# Altium PCB Bran_Main_Assay_PCB_v2_20170828.pcbdoc (part 3 of 5) (continued)
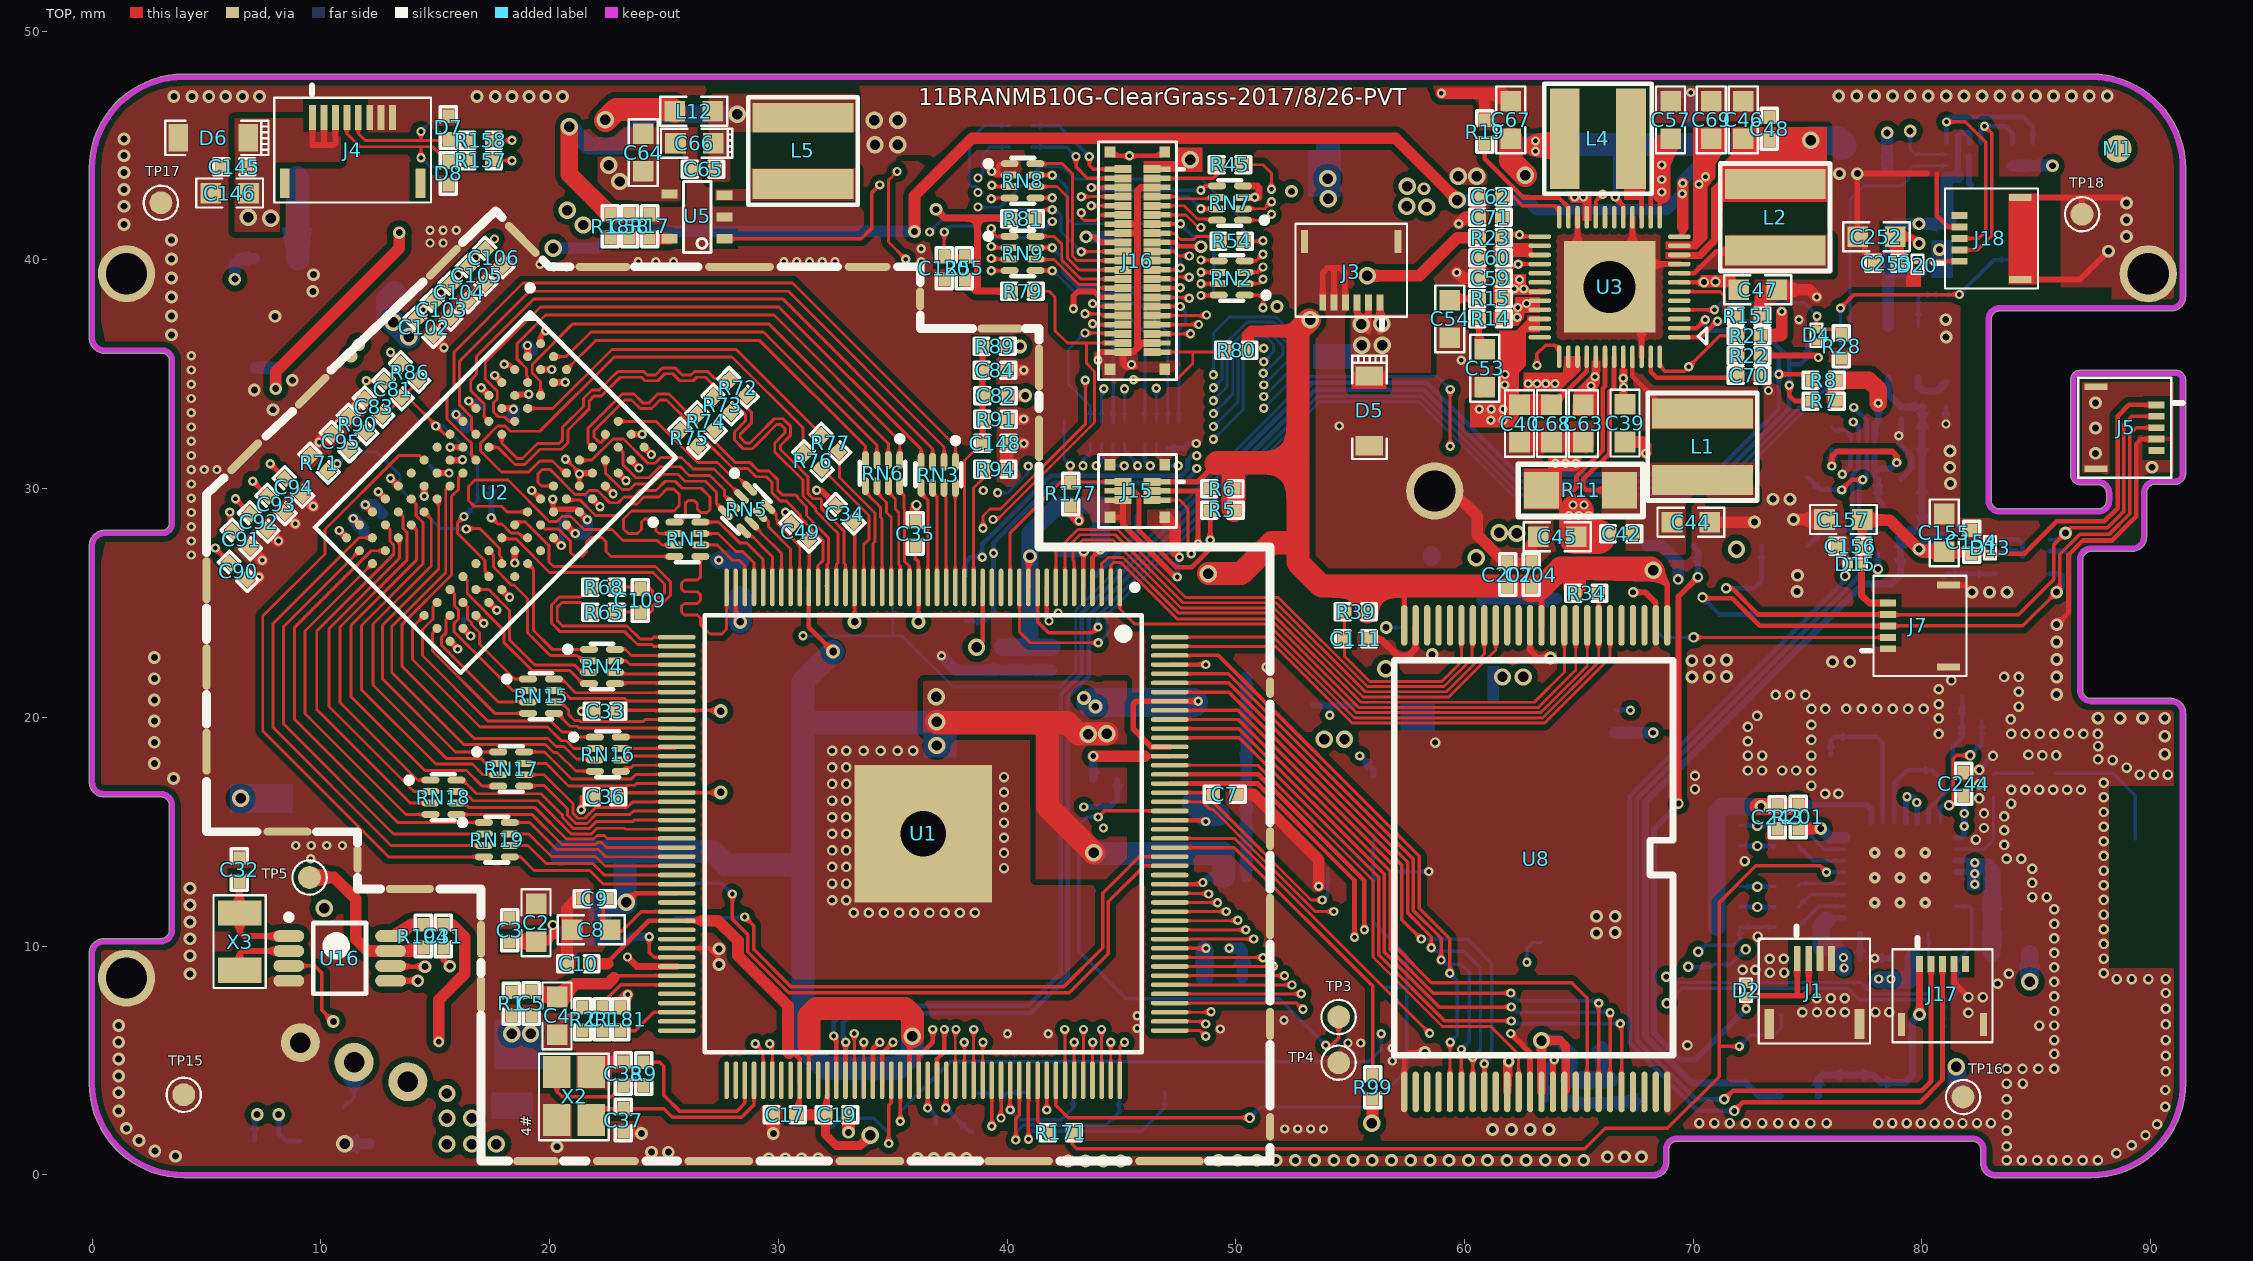
[diagram p0: TOP view]
## Nets (pads, with @x,y where several pads share a name; then routed paths per layer and width w, separated by ;. In a path a pad name is that pad's centre, name@x,y a point inside that pad or via, vN(x,y) a via of type N, cw(c..) or ccw(c..) an arc to the next point about the centre after c; other vN are vias at no path point) (continued)
  TOP w0.889: C40.2@62.406,33.676 C68.1@63.803,33.676
  TOP w1.016: C67.1@62.025,45.297 62.025,44.344 v4(62.66,43.709)
  POWER w1.016: v4@59.753,43.645 59.764,43.656 v4(60.541,43.656) 63.995,43.656 v1@64.895,42.756
  POWER w2.032: 11.29,36.239 11.29,42.157 12.154,43.021 18.898,43.021 20.016,44.139 v4(22.593,44.139) 31.991,44.139 33.42,45.568 35.344,45.568 ; 60.896,34.014 60.896,31.14 62.064,29.972 62.064,28.041 62.064,21.742
  BOTTOM w0.762: L19.2@58.572,27 L19.2@58.572,27.114
  other v1: 61.154,32.994 61.688,32.994 60.646,33.477 61.167,33.477 61.688,33.477 66.957,34.424 61.76,34.537 64.819,42.756 65.2,42.756
  other v4: 61.662,21.768 62.577,21.768 62.281,28.041 61.519,28.067 23.065,43.431 59.728,43.656 34.226,45.034 35.217,45.034 34.201,46.101 35.217,46.101
  other v7: 11.319,35.788 11.65,36.296
JTAG_CLK: TP89.1 U1.113 | length 2.8
  TOP w0.203: v1@37.335,2.943 U1.113@37.335,4.133
  BOTTOM w0.203: v1(37.313,2.921) 38.356,1.877 TP89.1@38.5,1.877
JTAG_DO: TP85.1 U1.111 | length 2
  TOP w0.203: v1@36.535,2.931 U1.111@36.535,4.133
  BOTTOM w0.203: v1(36.525,2.921) 36.881,2.565 36.881,2.258
LCD-CLK: R54.2 U1.129 | length 58.9
  TOP w0.127: U1.129@43.735,4.133 v1@43.735,5.788 ; R54.2@50.322,40.811 v1@51.219,40.811
  Singal w0.127: v1(38.726,42.316) 38.497,42.088 38.497,32.825 40.897,30.425 43.241,30.425 45.448,28.218 45.448,8.653 43.746,6.951 v1(43.746,5.799)
  BOTTOM w0.127: v1(38.726,42.316) 38.739,42.304 39.679,42.304 41.453,44.078 42.447,44.078 42.986,43.538 48.505,43.538 50.225,41.818 50.225,41.43 50.819,40.837 v1(51.194,40.837) v1@51.244,40.837
LCD-D2: RN7.2 U1.148 | length 34.8
  TOP w0.127: U1.148@47.11,12.308 v1@48.785,12.308 ; RN7.2@50.31,42.238 51.255,42.238 v1(51.562,42.545)
  Singal w0.127: v1(48.817,12.276) 49.606,13.065 49.606,41.249 50.394,42.037 51.054,42.037 v1(51.562,42.545)
LCD-D3: RN7.1 U1.147 | length 35
  TOP w0.127: U1.147@47.11,11.908 48.664,11.908 ; 48.664,11.908 v1@49.185,11.908 ; RN7.1@50.31,41.738 51.301,41.738 v1(51.562,41.999)
  Singal w0.127: v1(49.198,11.895) 49.873,12.57 49.873,41.192 50.381,41.7 51.264,41.7 v1(51.562,41.999)
LCD-D4: RN2.4 U1.146 | length 33.1
  TOP w0.127: U1.146@47.11,11.508 v1@49.573,11.508 ; RN2.4@50.387,39.961 50.902,39.961 v1(51.194,40.252)
  Singal w0.127: v1(49.579,11.514) 50.101,12.036 50.101,39.719 50.635,40.252 v1(51.194,40.252)
LCD-D5: RN2.3 U1.145 | length 33.2
  TOP w0.127: U1.145@47.11,11.108 v1@50.062,11.108 ; RN2.3@50.416,39.49 RN2.3@50.387,39.461 50.961,39.461 v1(51.194,39.694)
  Singal w0.127: v1(50.087,11.133) 50.33,11.376 50.33,39.262 50.762,39.694 v1(51.194,39.694)
LCD-D6: RN2.2 U1.144 | length 33.1
  TOP w0.127: U1.144@47.11,10.708 v1@50.424,10.708 ; RN2.2@50.387,38.961 50.994,38.961 v1(51.194,39.16)
  Singal w0.127: v1(50.432,10.712) 50.584,10.865 50.584,38.862 50.882,39.16 v1(51.194,39.16)
LCD-D7: RN2.1 U1.143 | length 32.7
  TOP w0.127: U1.143@47.11,10.308 v1(50.786,10.308) ; RN2.1@50.387,38.461 51.004,38.461 51.194,38.271 v1(51.194,37.916)
  Singal w0.127: v1(50.786,10.308) 50.813,10.335 50.813,37.535 v1(51.194,37.916)
LCD-D10: RN8.3 U1.141 | length 57.8
  TOP w0.127: v1(39.331,43.269) 39.391,43.209 RN8.3@40.113,43.209 ; U1.141@47.11,9.508 51.176,9.508 v1(51.189,9.495)
  Singal w0.127: v1(39.331,43.269) 39.522,43.078 40.551,43.078 41.084,42.545 41.084,38.974 43.04,37.018 43.04,33.852 43.345,33.547 47.161,33.547 48.336,34.722 48.768,34.722 v1(49.022,34.976) ; v1(51.189,9.495) 52.108,10.415 52.108,22.835 51.219,23.724 v1(51.219,33.521)
  BOTTOM w0.127: v1(49.022,34.976) 49.022,36.804 49.727,37.509 51.752,37.509 52.743,36.519 52.743,35.033 51.232,33.521 v1(51.219,33.521)
LCD-D11: RN8.4 U1.140 | length 57.8
  TOP w0.127: v1@39.331,42.672 39.369,42.709 RN8.4@40.113,42.709 ; U1.140@47.11,9.108 51.639,9.108 v1(51.646,9.114)
  Singal w0.127: v1@39.331,42.672 40.525,42.672 40.855,42.342 40.855,38.879 42.811,36.923 42.811,33.63 43.123,33.318 47.256,33.318 48.35,34.412 v1(49.022,34.412) ; v1(51.219,34.029) 51.232,34.029 51.625,33.636 51.625,23.64 52.337,22.929 52.337,9.805 v1(51.646,9.114)
  BOTTOM w0.127: v1(49.022,34.412) 49.39,34.78 49.39,36.182 50.489,37.281 51.658,37.281 52.514,36.424 52.514,35.312 51.232,34.029 v1(51.219,34.029)
  other v1: 39.306,42.672
LCD-D12: RN9.1 U1.139 | length 57.1
  TOP w0.127: v1@39.433,41.377 39.433,41.136 39.535,41.034 RN9.1@40.113,41.034 ; U1.139@47.11,8.708 v1(52.128,8.708)
  Singal w0.127: v1@39.433,41.377 40.068,41.377 40.627,40.818 40.627,38.784 42.583,36.828 42.583,33.536 43.029,33.09 47.351,33.09 48.109,33.848 v1(49.022,33.848) ; v1@51.232,34.537 51.854,33.915 51.854,23.735 52.565,23.024 52.565,9.145 v1(52.128,8.708)
  BOTTOM w0.127: v1(49.022,33.848) 49.619,34.445 49.619,36.086 50.585,37.052 51.563,37.052 52.286,36.329 52.286,35.604 v1(51.219,34.537)
  other v1: 39.306,41.377
LCD-D13: RN9.2 U1.138 | length 57.1
  TOP w0.127: v1(39.306,40.589) 39.361,40.534 RN9.2@40.113,40.534 ; U1.138@47.11,8.308 52.452,8.308 v1(52.459,8.301)
  Singal w0.127: v1(39.306,40.589) 40.068,40.589 40.398,40.259 40.398,38.69 42.354,36.734 42.354,33.441 42.959,32.836 47.447,32.836 47.896,33.284 v1(49.022,33.284) ; v1@51.232,35.045 52.083,34.195 52.083,23.83 52.794,23.119 52.794,8.637 v1(52.459,8.301)
  BOTTOM w0.127: v1(49.022,33.284) 49.867,34.129 49.867,36.011 50.68,36.823 51.468,36.823 52.057,36.235 52.057,35.871 51.232,35.045 v1(51.206,35.045)
LCD-D14: RN9.3 U1.137 | length 57.1
  TOP w0.127: v1@39.306,40.081 39.353,40.034 RN9.3@40.113,40.034 ; U1.137@47.11,7.908 52.852,7.908 v1(52.865,7.92)
  Singal w0.127: v1@39.306,40.081 39.89,40.081 40.17,39.802 40.17,38.595 42.125,36.639 42.125,33.346 42.865,32.607 47.65,32.607 47.763,32.72 v1(49.022,32.72) ; v1@51.244,35.553 52.311,34.487 52.311,23.925 53.022,23.213 53.022,8.078 v1(52.865,7.92)
  BOTTOM w0.127: v1(49.022,32.72) 50.096,33.794 50.096,35.916 50.775,36.595 51.374,36.595 51.651,36.318 51.651,35.985 v1(51.219,35.553)
  other v1: 39.306,40.062
LCD-D15: RN9.4 U1.136 | length 57
  TOP w0.127: v1@39.318,39.534 RN9.4@40.113,39.534 ; U1.136@47.11,7.508 52.668,7.508 v1(52.941,7.235)
  Singal w0.127: v1@39.318,39.534 39.751,39.534 39.941,39.345 39.941,38.456 41.897,36.5 41.897,33.252 42.77,32.378 48.444,32.378 48.666,32.156 v1(49.022,32.156) ; v1(51.219,36.138) 52.54,34.817 52.54,24.079 53.251,23.368 53.251,7.544 v1(52.941,7.235)
  BOTTOM w0.127: v1(49.022,32.156) 50.324,33.458 50.324,35.821 50.641,36.138 v1(51.219,36.138)
  other v1: 39.306,39.534
LCD-D18: RN10.3 U1.135 | length 29.1
  TOP w0.127: U1.135@47.11,7.108 48.903,7.108 v1(48.919,7.124)
  Singal w0.127: v1(47.485,31.009) 47.485,30.501 46.879,29.895 46.879,8.118 47.873,7.124 v1(48.919,7.124)
  BOTTOM w0.127: RN10.3@46.524,31.974 RN10.3@46.524,31.774 46.524,31.492 47.007,31.009 v1(47.485,31.009)
LCD-D19: RN10.4 U1.134 | length 28.7
  TOP w0.127: U1.134@47.11,6.708 48.575,6.708 v1(48.69,6.593)
  Singal w0.127: v1(46.266,31.007) 46.266,29.206 46.651,28.821 46.651,7.711 47.769,6.593 v1(48.69,6.593)
  BOTTOM w0.127: RN10.4@46.024,31.974 RN10.4@46.024,31.774 46.024,31.216 46.233,31.007 v1(46.266,31.007)
LCD-D20: RN11.1 U1.133 | length 29.6
  TOP w0.127: U1.133@47.11,6.308 48.435,6.308 v1(48.69,6.053)
  Singal w0.127: v1(45.707,31.007) 45.707,29.442 46.422,28.727 46.422,7.432 47.801,6.053 v1(48.69,6.053)
  BOTTOM w0.127: RN11.1@45.136,31.974 RN11.1@45.136,31.774 45.136,31.656 45.682,31.111 45.682,31.032 v1(45.707,31.007)
LCD-D21: RN11.2 U1.132 | length 29.2
  TOP w0.127: U1.132@44.935,4.133 44.935,5.6 v1(45.134,5.799)
  Singal w0.127: v1(45.123,31.007) 45.123,29.703 46.16,28.665 46.16,8.395 45.134,7.369 v1(45.134,5.799)
  BOTTOM w0.127: RN11.2@44.636,31.974 RN11.2@44.636,31.774 44.636,31.089 44.719,31.007 v1(45.123,31.007)
LCD-D22: RN11.3 U1.131 | length 29.4
  TOP w0.127: U1.131@44.535,4.133 v1@44.535,5.798
  Singal w0.127: v1(43.904,31.009) 43.904,30.569 44.648,29.825 45.905,28.596 45.905,8.464 44.534,7.092 v1(44.534,5.799)
  BOTTOM w0.127: v1(43.904,31.009) 43.904,30.983 44.136,31.216 RN11.3@44.136,31.774 RN11.3@44.136,31.974
LCD-D23: RN11.4 U1.130 | length 29.6
  TOP w0.127: U1.130@44.135,4.133 v1@44.135,6.35
  Singal w0.127: v1(43.32,31.007) 43.32,30.674 45.677,28.317 45.677,8.559 44.127,7.009 v1(44.127,6.358)
  BOTTOM w0.127: v1(43.32,31.007) 43.32,31.263 43.636,31.58 RN11.4@43.636,31.774 RN11.4@43.636,31.974
LCD-DE: R44.2 U1.128 | length 48.6
  TOP w0.127: U1.128@43.335,4.133 43.34,4.138 v1(43.34,6.358)
  Singal w0.127: v1(38.726,42.951) 38.269,42.494 38.269,32.73 40.803,30.196 43.147,30.196 45.22,28.123 45.22,8.933 43.34,7.053 v1(43.34,6.358)
  BOTTOM w0.127: v1(38.726,42.951) 38.726,43.151 38.672,43.205 38.472,43.205 38.358,43.32 38.358,45.229 39.001,45.872 R44.2@40.101,45.872
LCD-HSYNC: R46.2 U1.127 | length 48
  TOP w0.127: v1(42.934,5.799) 42.934,4.134 U1.127@42.935,4.133
  Singal w0.127: v1(38.726,43.586) 38.297,43.586 ; v1@38.823,43.586 38.297,43.586 ; v1(42.934,5.799) 42.934,6.981 44.991,9.038 44.991,28.028 43.052,29.968 40.708,29.968 38.024,32.652 38.024,43.313 38.297,43.586
  BOTTOM w0.127: v1(38.726,43.586) 38.938,43.799 38.938,44.616 39.255,44.933 R46.2@40.101,44.933
LCD-PWM0: TP26.1 U1.103 U9.5 | length 72.5
  TOP w0.127: v1(33.323,6.18) 33.323,4.145 U1.103@33.335,4.133 ; v1(59.372,31.852) v1(59.372,34.341)
  Singal w0.127: v1(31.077,23.565) 30.848,23.336 30.848,9.1 33.323,6.625 v1(33.323,6.18) ; v3(56.578,23.927) 56.197,24.308 56.197,30.632 57.086,31.521 59.067,31.521 59.372,31.826 v1(59.372,31.852)
  BOTTOM w0.127: v1(31.077,23.565) 35.42,23.565 37.655,21.329 42.306,21.329 43.002,22.026 43.002,24.67 53.232,34.9 58.813,34.9 v1(59.372,34.341) ; 35,23.577 TP26.1@35,25 ; v3(56.578,23.927) U9.5@57.406,23.927
LCD-RESET-N: C120.2 J15.5 J16.19 R55.1 U1.117 | length 75.6
  TOP w0.127: v1@37.249,41.268 C120.2@37.249,40.143 R55.1@38.138,40.143 ; U1.117@38.935,4.133 v1@38.935,5.788 ; J15.5@46.335,29.5 J15.5@46.925,29.5 47.546,29.5 47.917,29.129 47.917,27.283 v1(48.048,27.152) ; J16.19@46.335,40.37 J16.19@46.925,40.37 47.291,40.37 47.485,40.176 v1(47.968,40.176) v1@47.993,40.176
  Singal w0.127: v1(37.249,41.224) 37.249,32.156 v1(39.585,29.82) 40.119,29.286 41.287,29.286 42.612,27.961 42.612,23.485 41.876,22.748 41.876,7.175 40.5,5.799 v1(38.946,5.799) ; v1(40.932,30.988) 41.897,30.988 42.684,31.775 47.485,31.775 47.917,31.343 47.917,27.283 v1(48.048,27.152) ; v1(41.977,41.681) 44.729,41.681 46.234,40.176 v1(47.968,40.176)
  BOTTOM w0.127: v1(37.249,41.224) 37.502,41.478 38.536,41.478 39.056,40.957 41.254,40.957 v1(41.977,41.681) ; v1(39.585,29.82) 40.043,29.82 40.932,30.709 v1(40.932,30.988)
LCD-SPI1_CLK: J16.40 R79.2 U1.115 | length 42.4
  TOP w0.127: U1.115@38.135,4.133 v1@38.135,5.797 ; v1(39.382,28.651) 39.578,28.651 43.827,32.9 43.827,35.128 43.472,35.484 43.472,36.37 ; R79.2@41.178,38.633 41.846,38.633 42.1,38.379 42.1,36.906 42.636,36.37 43.472,36.37 ; J16.40@45.065,36.37 J16.40@44.475,36.37 43.472,36.37
  Singal w0.127: v1(38.133,5.799) 38.136,5.802 38.136,6.51 38.133,6.514 38.133,6.672 38.555,7.094 39.205,7.094 41.135,9.024 41.135,22.061 40.533,22.663 40.533,27.011 39.382,28.162 v1(39.382,28.651)
LCD-SPI1_CS0: J16.41 R80.2 U1.114 | length 44.4
  TOP w0.127: U1.114@37.735,4.133 v1@37.735,6.325 ; v1(38.95,28.27) 38.95,28.804 39.255,29.108 39.712,29.108 43.421,32.817 v1(43.421,34.747) ; v1(45.529,34.766) 47.409,34.766 48.12,35.477 48.12,35.97 ; J16.41@46.335,35.97 J16.41@46.925,35.97 48.12,35.97 ; R80.2@49.525,36.061 49.434,35.97 48.12,35.97
  Singal w0.127: v1(37.768,6.358) 37.768,6.942 38.149,7.323 39.11,7.323 40.906,9.119 40.906,21.966 40.305,22.568 40.305,26.916 v1(38.95,28.27) ; v1(43.421,34.747) 43.827,35.154 45.142,35.154 v1(45.529,34.766)
LCD-SPI1_MOSI: J16.20 R81.2 U1.116 | length 52.5
  TOP w0.127: U1.116@38.535,4.133 v1@38.535,6.353 ; R81.2@41.178,41.808 41.571,42.202 v1(41.977,42.202) ; v1@43.257,40.37 J16.20@44.475,40.37 J16.20@45.065,40.37
  Singal w0.127: v1@36.614,41.3 36.615,41.299 36.615,40.625 36.951,40.288 36.951,31.391 39.209,29.134 39.857,29.134 41.61,27.381 41.61,26.713 40.762,25.865 40.762,22.757 41.363,22.156 41.363,8.929 38.792,6.358 v1(38.539,6.358)
  BOTTOM w0.127: v1(36.614,41.224) 37.337,41.948 39.767,41.948 40.034,42.215 42.1,42.215 42.358,41.957 42.358,41.249 v1(43.247,40.36)
LCD-VSYNC: R45.2 U1.126 | length 59.5
  TOP w0.127: v1(42.527,6.358) 42.535,6.35 U1.126@42.535,4.133 ; R45.2@50.246,44.164 51.187,44.164 51.562,43.789 v1(51.562,43.091)
  Singal w0.127: v1(42.527,6.358) 42.276,6.608 42.276,22.351 42.937,23.011 42.937,27.436 42.938,27.437 42.938,28.277 41.552,29.663 40.69,29.663 37.795,32.557 37.795,43.479 38.868,44.552 42.354,44.552 42.76,44.145 45.249,44.145 45.689,43.705 51.291,43.705 51.562,43.434 v1(51.562,43.091)
LDO_1V8_EN: R199.2 R210.1 TP2.1 U1.10 U19.3 | length 59.4
  TOP w0.152: U1.10@41.335,25.683 41.335,24.172 41.813,23.694 43.726,23.694 v1(43.98,23.948) ; v1(76.441,37.897) 77.033,38.489 v1(81.64,38.489)
  BOTTOM w0.152: v1(43.98,23.948) 43.98,24.444 53.585,34.049 58.105,34.049 62.194,29.959 62.274,30.039 71.129,30.039 76.441,35.351 v1(76.441,37.897) ; U19.3@79.834,37.107 79.834,38.352 R199.2@79.971,38.489 v1(81.64,38.489) 83.151,40 83.977,40 TP2.1@84,39.977
LRADC: R181.1 U1.86 | length 2.8
  TOP w0.152: R181.1@23.105,6.307 23.743,6.307 24.544,7.108 U1.86@25.56,7.108
N495906: D4.2 R28.1 U3.4 | length 8.2
  TOP w0.152: U3.4@69.393,37.819 v1@70.927,37.819 ; v1(75.411,37.541) 75.386,37.516 D4.2@75.386,36.968 76.223,36.968 R28.1@76.47,36.72
  BOTTOM w0.152: v1(70.929,37.821) 71.234,38.125 74.866,38.125 v1@75.431,37.561
N496392: C42.1 C44.1 L1.1 R11.2 U3.43 | length 7.9
  TOP w0.203: U3.43@66.543,35.769 66.537,35.763 66.537,34.46 66.543,34.453 66.543,34.447 66.343,34.247 66.343,31.549 65.2,30.406 65.2,30.056 65.327,29.929 R11.2@66.783,29.929
N496496: L2.1 U3.8 | length 4.6
  TOP w0.203: U3.8@69.393,39.419 70.054,39.419 71.01,40.375 73.54,40.375 L2.1@73.582,40.417
N496956: C70.2 R22.1 U3.47 | length 5.5
  TOP w0.152: U3.47@68.143,35.687 U3.47@68.143,35.769
  TOP w0.203: U3.47@68.143,35.687 68.143,35.12 68.407,34.857 71.845,34.857 C70.2@71.939,34.95 R22.1@71.939,35.817
N497310: C62.2 U3.24 | length 3
  TOP w0.152: C62.2@61.636,42.756 62.152,42.756 62.533,42.375 63.93,42.375 ; 63.927,42.378 63.93,42.375 ; U3.24@64.143,41.869 64.143,42.162 63.93,42.375
N497342: R19.2 U3.23 | length 5.7
  TOP w0.203: R19.2@60.882,45.114 60.882,44.421 62.573,42.731 64.11,42.731 64.543,42.298 U3.23@64.543,41.869
N497492: L4.1 U3.15 | length 3.5
  TOP w0.203: L4.1@66.851,44.989 66.851,44.788 67.743,43.896 U3.15@67.743,41.869
N497618: L1.2 U3.45 | length 4.1
  TOP w0.203: U3.45@67.343,35.769 67.343,34.923 L1.2@68.629,33.638 ; L1.2@68.603,33.638 L1.2@68.629,33.638 ; L1.2@70.018,33.638 L1.2@68.629,33.638
N499368: C43.1 C51.1 C52.1 L3.1 L13.2 R13.2 | length 10.9
  TOP w0.508: v3(8.025,34.374) 8.025,35.107 13.424,40.506 v3(13.424,41.192)
  BOTTOM w0.508: R13.2@7.125,35.29 8.008,35.29 C43.1@8.014,35.284 v3@8.014,34.36
N499376: C43.2 R12.2 R13.1 U4.5
N499488: L3.2 U4.3 | length 3.6
  BOTTOM w1.016: L3.2@8.951,43.605 8.989,43.567 U4.3@8.989,40.049
N502826: C58.1 C65.1 C66.1 L5.1 L12.2 R18.2 | length 13.7
  TOP w0.762: v4(20.866,45.822) 20.866,43.756 R18.2@22.644,41.978 C58.1@23.507,41.978
  BOTTOM w0.762: v4(20.866,45.822) 21.685,45.002 23.069,45.002 24.44,46.374 v4(28.207,46.374)
N502890: C58.2 R17.2 R18.1 U5.5 | length 2.6
  TOP w0.508: R18.1@22.644,40.978 22.694,40.928 U5.5@25.248,40.928
N502982: L5.2 U5.3
N16922120: C54.1 R15.2 | length 1.3
  TOP w0.254: C54.1@59.358,38.248 59.421,38.311 R15.2@60.636,38.311
N16974975: J16.3 R45.1 | length 3.4
  TOP w0.152: J16.3@46.335,43.57 J16.3@46.925,43.57 49.018,43.57 49.246,43.798 R45.1@49.246,44.164
N16974977: J16.4 R46.1 | length 4.8
  TOP w0.152: v1(43.014,44.526) 43.014,44.069 43.513,43.57 J16.4@44.475,43.57 J16.4@45.065,43.57
  BOTTOM w0.152: R46.1@41.101,44.933 42.608,44.933 v1(43.014,44.526)
N16975074: J16.2 R44.1 | length 5
  TOP w0.152: v1(43.599,44.526) 43.599,44.145 43.774,43.97 J16.2@44.475,43.97 J16.2@45.065,43.97
  BOTTOM w0.152: R44.1@41.101,45.872 42.252,45.872 v1(43.599,44.526)
N16976082: J16.6 RN7.5 | length 7
  TOP w0.152: v1@43.704,43.17 J16.6@44.475,43.17 J16.6@45.065,43.17 ; v1(48.476,43.046) 48.667,43.238 RN7.5@49.181,43.238
  BOTTOM w0.152: v1(43.675,43.17) 44.069,43.17 44.193,43.046 v1(48.476,43.046)
N16976085: J16.7 RN7.6 | length 2.9
  TOP w0.127: J16.7@46.335,42.77 J16.7@46.925,42.77 47.409,42.77 47.501,42.678 49.121,42.678 RN7.6@49.181,42.738
N16976088: J16.8 RN7.7 | length 8
  TOP w0.127: v1@43.25,42.77 J16.8@44.475,42.77 J16.8@45.065,42.77 ; v1@48.4,42.234 v1(48.476,42.234) 48.48,42.238 RN7.7@49.181,42.238
  BOTTOM w0.127: v1(43.247,42.767) 47.942,42.767 v1(48.476,42.234)
N16976091: J16.9 RN7.8 | length 3.1
  TOP w0.127: J16.9@46.335,42.37 J16.9@46.925,42.37 47.742,42.37 48.323,41.789 49.129,41.789 RN7.8@49.181,41.738
N16976439: J16.15 R54.1 | length 3.2
  TOP w0.127: J16.15@46.335,41.17 J16.15@46.925,41.17 47.307,41.17 47.577,40.9 48.165,40.9 48.292,41.027 49.106,41.027 R54.1@49.322,40.811
N16977236: J16.25 RN8.5 | length 12.6
  TOP w0.127: RN8.5@41.256,42.723 RN8.5@41.243,42.709 41.985,42.709 v1@41.998,42.723 ; J16.25@46.335,39.17 J16.25@46.925,39.17 47.371,39.17 47.45,39.249 v1(47.968,39.249)
  Singal w0.127: v1(41.977,42.723) 41.698,42.723 ; v1@41.998,42.723 41.698,42.723 ; v1(47.968,39.249) 42.936,39.249 42.231,39.954 41.723,39.954 41.393,40.284 41.393,42.418 41.698,42.723
N16977237: J16.24 RN8.6 | length 6.5
  TOP w0.127: RN8.6@41.598,43.209 42.18,43.209 42.638,42.752 42.638,40.076 43.144,39.57 J16.24@44.475,39.57 J16.24@45.065,39.57
N16977238: J16.23 RN8.7 | length 10.4
  TOP w0.127: RN8.7@41.243,43.709 v1(41.977,43.709) v1@42.079,43.709 ; J16.23@46.335,39.57 J16.23@46.925,39.57 47.495,39.57 v1(47.574,39.649)
  BOTTOM w0.127: v1@42.079,43.709 42.612,43.176 42.612,41.859 42.885,41.586 46.145,41.586 47.574,40.157 v1(47.574,39.649)
N16977239: J16.22 RN8.8 | length 7.7
  TOP w0.127: RN8.8@41.243,44.209 42.43,44.209 42.866,43.773 42.866,40.171 43.067,39.97 J16.22@44.475,39.97 J16.22@45.065,39.97
N16977240: J16.29 RN9.5 | length 8.8
  TOP w0.127: RN9.5@41.243,39.534 v1(41.977,39.534) v1@42.012,39.534 ; J16.29@46.335,38.37 J16.29@46.925,38.37 v1@47.92,38.37
  BOTTOM w0.127: v1@42.018,39.534 42.012,39.534 42.983,38.563 45.669,38.563 45.91,38.322 47.371,38.322 47.383,38.335 47.955,38.335 v1(47.968,38.322)
N16977241: J16.28 RN9.6 | length 4.3
  TOP w0.127: RN9.6@41.243,40.034 41.259,40.019 42.049,40.019 43.148,38.919 43.924,38.919 44.073,38.77 J16.28@44.475,38.77 J16.28@45.065,38.77
N16977242: J16.27 RN9.7 | length 8.7
  TOP w0.127: RN9.7@41.243,40.534 v1@42.02,40.534 ; J16.27@46.335,38.77 J16.27@46.925,38.77 v1@47.559,38.77
  BOTTOM w0.127: v1(41.977,40.538) 42.43,40.085 42.43,39.445 43.084,38.792 47.568,38.792 v1(47.574,38.786)
N16977243: J16.26 RN9.8 | length 5
  TOP w0.127: RN9.8@41.243,41.034 42.049,41.034 42.392,40.691 42.392,39.998 43.22,39.17 J16.26@44.475,39.17 J16.26@45.065,39.17
N16977551: J16.34 RN10.5 | length 8.6
  TOP w0.127: v1(43.409,37.643) 44.073,37.643 44.145,37.57 J16.34@44.475,37.57 J16.34@45.065,37.57
  BOTTOM w0.127: v1(43.409,37.643) 45.211,37.643 46.024,36.83 RN10.5@46.024,32.904
N16977552: J16.33 RN10.6 | length 8.7
  TOP w0.127: J16.33@46.335,37.57 J16.33@46.925,37.57 v1@48.695,37.57
  Singal w0.127: v1(46.52,34.385) 46.685,34.55 46.685,36.881 47.396,37.592 v1(48.717,37.592)
  BOTTOM w0.127: v1(46.52,34.385) 46.524,34.381 RN10.6@46.524,32.904
N16977553: J16.32 RN10.7 | length 9.1
  TOP w0.127: v1(43.739,38.093) 43.862,37.97 J16.32@44.475,37.97 J16.32@45.065,37.97
  BOTTOM w0.127: v1(43.739,38.093) 45.758,38.093 47.024,36.827 RN10.7@47.024,32.904
N16977554: J16.31 RN10.8 | length 7.1
  TOP w0.127: J16.31@46.335,37.97 46.339,37.966 v1@47.536,37.966 ; J16.31@46.925,37.97 v1@47.532,37.97
  BOTTOM w0.127: RN10.8@47.524,32.904 47.524,36.983 47.803,37.262 47.803,37.738 v1(47.574,37.966)
N16977555: J16.38 RN11.5 | length 6.9
  TOP w0.127: v1(43.409,36.804) 45.031,36.804 J16.38@45.065,36.77 J16.38@44.475,36.77
  BOTTOM w0.127: v1(43.409,36.804) 42.684,36.08 42.684,34.569 43.636,33.617 RN11.5@43.636,32.904
N16977556: J16.37 RN11.6 | length 10.1
  TOP w0.127: J16.37@46.335,36.77 J16.37@46.925,36.77 v1(48.021,36.77)
  Singal w0.127: v1(44.234,34.372) 44.234,33.934 44.38,33.788 46.824,33.788 47.142,34.107 47.142,36.455 47.457,36.77 v1(48.021,36.77)
  BOTTOM w0.127: RN11.6@44.107,32.934 RN11.6@44.136,32.904 44.136,34.274 v1(44.234,34.372)
N16977557: J16.36 RN11.7 | length 6.2
  TOP w0.152: v1@43.827,37.16 43.837,37.17 J16.36@44.475,37.17 J16.36@45.065,37.17
  BOTTOM w0.152: v1@43.827,37.16 44.437,37.16 44.636,36.961 RN11.7@44.636,32.904
  other v1: 43.739,37.211
N16977558: J16.35 RN11.8 | length 9.8
  TOP w0.152: J16.35@46.335,37.17 J16.35@46.925,37.17 48.365,37.17 v1(48.374,37.179)
  Singal w0.127: v1(45.136,34.372) 45.136,34.149 45.269,34.017 46.729,34.017 46.914,34.202 46.914,36.785 47.307,37.179 v1(48.374,37.179)
  BOTTOM w0.127: RN11.8@45.136,32.904 v1(45.136,34.372)
N16978242: J16.10 RN2.5 | length 9.4
  TOP w0.127: v1(43.675,42.367) 43.669,42.367 43.666,42.37 J16.10@44.475,42.37 J16.10@45.065,42.37 ; v1(48.476,39.998) 49.22,39.998 RN2.5@49.257,39.961
  Singal w0.127: v1(43.675,42.367) 43.669,42.367 43.666,42.37 44.961,42.37 46.444,40.887 47.422,40.887 47.561,41.027 48.66,41.027 48.92,40.767 48.92,40.138 48.781,39.998 v1(48.476,39.998)
N16978245: J16.11 RN2.6 | length 6.1
  TOP w0.127: J16.11@46.335,41.97 J16.11@46.925,41.97 47.819,41.97 48.368,41.421 v1(48.476,41.421) ; v1(48.476,39.465) 49.253,39.465 RN2.6@49.257,39.461
  Singal w0.127: v1(48.476,39.465) 48.831,39.465 49.149,39.783 49.149,41.122 48.85,41.421 v1(48.476,41.421)
N16978418: J16.12 RN2.7 | length 15.4
  TOP w0.127: v1(43.247,42.062) 43.247,41.843 43.358,41.732 43.866,41.732 44.104,41.97 J16.12@44.475,41.97 J16.12@45.065,41.97 ; v1(48.476,38.957) 49.253,38.957 RN2.7@49.257,38.961
  Singal w0.127: v1(43.247,42.062) 42.723,42.587 42.723,43.154 43.107,43.538 45.532,43.538 46.469,42.602 48.723,42.602 49.378,41.948 49.378,39.402 48.933,38.957 v1(48.476,38.957)
N16978424: J16.13 RN2.8 | length 6.6
  TOP w0.152: J16.13@46.335,41.57 J16.13@46.925,41.57 47.577,41.57 v1(47.586,41.58) ; v1(48.476,38.449) 49.245,38.449 RN2.8@49.257,38.461
  BOTTOM w0.152: v1(47.586,41.58) 47.586,41.568 48.115,41.04 48.711,41.04 49.035,40.716 49.035,38.601 48.882,38.449 v1(48.476,38.449)
N16998285: C38.2 R9.2 X2.3 | length 5
  TOP w0.152: X2.3@20.317,4.495 20.317,3.643 20.315,3.643 20.547,3.411 22.706,3.411 23.222,3.927 R9.2@24.103,3.927
N17029739: R74.2 U2.C7 | length 6.9
  TOP w0.127: U2.C7@21.867,31.814 21.679,32.002 21.679,32.641 23.174,34.136 23.686,34.136 24.067,33.755 24.343,33.755 24.724,34.136 25.214,34.136 26.037,33.312 R74.2@26.44,33.312
N17029768: R75.2 U2.B7 | length 6.9
  TOP w0.127: U2.B7@22.433,32.379 22.433,32.197 22.264,32.027 22.17,32.027 21.933,32.264 21.933,32.535 23.28,33.882 23.581,33.882 23.962,33.501 24.448,33.501 24.829,33.882 25.108,33.882 25.947,33.043 25.947,32.845 R75.2@25.703,32.601
N17030637: R73.2 U2.G3 | length 13.2
  TOP w0.127: U2.G3@17.342,31.813 17.729,31.813 18.48,31.062 18.915,31.062 19.575,31.723 20.52,31.723 20.809,32.012 20.809,32.57 21.73,33.491 21.73,33.836 21.953,34.059 22.273,34.059 23.086,34.872 24.012,34.872 24.165,34.72 24.727,34.72 25.032,35.025 25.384,35.025 25.689,34.72 26.281,34.72 26.433,34.872 26.81,34.872 27.151,34.532 R73.2@27.151,34.074
N17030639: R72.2 U2.F3 | length 13.2
  TOP w0.127: U2.F3@17.908,32.379 17.908,31.994 18.585,31.316 18.809,31.316 19.47,31.977 20.414,31.977 20.555,32.117 20.555,32.675 21.476,33.597 21.476,33.942 21.848,34.313 22.168,34.313 22.645,34.79 22.98,35.126 24.118,35.126 24.27,34.974 24.622,34.974 24.927,35.279 25.489,35.279 25.794,34.974 26.175,34.974 26.328,35.126 26.916,35.126 27.231,34.811 R72.2@27.837,34.811
N17030675: R77.2 U2.D3 | length 15.4
  TOP w0.127: U2.D3@19.039,33.511 20.14,33.511 22.721,36.091 28.158,36.091 R77.2@31.875,32.373
N17030677: R76.2 U2.E7 | length 23.1
  TOP w0.127: U2.E7@20.736,30.682 20.662,30.682 20.13,31.215 19.571,31.215 19.089,30.732 17.895,30.732 17.194,31.432 16.973,31.643 16.973,31.983 17.006,32.017 17.723,32.744 18.059,32.744 18.294,32.51 19.571,32.51 22.822,35.761 27.979,35.761 31.078,32.662 31.078,31.646 R76.2@31.113,31.611
N17031032: R71.2 U2.L8 | length 10.7
  TOP w0.127: R71.2@10.315,30.717 v1(10.707,31.088) ; v1(16.356,28.236) 16.386,28.266 16.932,28.266 17.801,27.396 17.801,27.079 17.908,26.973 U2.L8@17.908,26.722
  BOTTOM w0.127: v1(10.707,31.088) 11.215,31.596 12.442,31.596 13.451,30.586 13.451,30.382 13.397,30.328 13.397,30.08 15.211,28.266 16.326,28.266 v1(16.356,28.236)
N17176459: R151.2 U3.6 | length 3.4
  TOP w0.152: U3.6@69.393,38.619 70.28,38.619 ; 70.289,38.619 71.186,38.619 71.367,38.438 71.367,37.669 71.487,37.549 R151.2@71.939,37.549
N17436294: R156.1 U7.2 | length 3.7
  BOTTOM w0.145: U7.2@81.468,14.237 82.715,14.237 83.134,14.657 R156.1@83.134,16.416 R156.1@83.134,16.518
N17436340: C213.1 C215.1 R156.2 | length 1.7
  BOTTOM w0.145: R156.2@83.134,17.518 83.168,17.551 C213.1@84.819,17.551
N17436479: A1.3@89.325,14.7 C213.2 C216.1 | length 5.8
  BOTTOM w0.145: C213.2@85.819,17.551 88.354,17.551 89.325,16.58 A1.3@89.325,14.7
N17436778: A1.2 R160.1
N17439379: R204.1 U7.26 | length 3.9
  BOTTOM w0.254: R204.1@74.553,16.18 77.588,16.18 77.793,15.975 U7.26@77.793,15.412
N17493110: C1.1 R2.2 | length 0.8
  TOP w0.127: R2.2@21.454,6.358 C1.1@22.267,6.358
N17550444: C225.1 C227.1 D18.1 L18.1 U15.6
N17550467: L18.2 U15.1
N17550469: R188.2 R189.1 U15.4 | length 6.1
  Singal w0.254: v1(54.114,20.091) 54.952,20.091 55.421,19.623 v1(55.421,18.316)
  BOTTOM w0.254: R188.2@53.395,20.549 53.42,20.523 54.114,20.523 ; v1(54.114,20.091) 54.114,20.523 ; R189.1@55.164,20.523 54.114,20.523 ; v1(55.421,18.316) 56.02,17.717 U15.4@56.02,17.452
N17556983: R194.1 TP5.1 U16.7 | length 7.4
  TOP w0.508: TP5.1@9.5,13 10.583,13 11.518,12.065 11.518,10.312 12.045,9.785 U16.7@13.044,9.785 14.311,9.785 R194.1@14.465,9.939
N17556994: C32.2 U16.1 X3.2 | length 4.5
  TOP w0.254: C32.2@6.424,12.847 6.424,11.472 X3.2@6.45,11.447 6.45,10.62 6.634,10.435 U16.1@8.594,10.435
N17557015: U16.2 X3.1 | length 2.9
  TOP w0.254: X3.1@6.45,8.947 6.45,9.68 6.555,9.785 U16.2@8.594,9.785
N17569799: C237.1 U19.4 | length 1.9
  BOTTOM w0.305: U19.4@79.834,34.857 79.834,34.478 80.048,34.265 80.675,34.265 C237.1@81.064,34.654
N17725418: R201.2 U7.24 | length 2.2
  TOP w0.508: R201.2@74.587,15.146 75.569,15.146 v3(75.577,15.138)
  BOTTOM w0.508: v3(75.577,15.138) 75.978,14.737 U7.24@76.618,14.737
N17726905: C245.2 R155.2 R202.2 U7.31 | length 6.1
  BOTTOM w0.203: U7.31@80.293,15.412 80.293,15.975 81.343,17.025 81.343,18.712 81.757,19.126 R155.2@81.757,20.879
N17728099: R203.2 U7.16 | length 1.1
  BOTTOM w0.254: U7.16@77.293,10.562 77.293,9.452 R203.2@77.304,9.441
N17734642: C248.2 C249.2 D19.1 J17.1 R198.1 | length 10.2
  TOP w0.305: v3(79.895,7.01) 79.9,7.015 J17.1@79.9,9.225
  BOTTOM w0.305: R198.1@75.476,3.454 75.476,4.204 75.626,4.354 C249.2@76.949,4.354 77.883,4.354 C248.2@78.156,4.081 78.199,4.038 79.273,4.038 79.579,4.344 79.579,6.694 v3(79.895,7.01)
N17747477: R209.1 U20.5 | length 1.2
  BOTTOM w0.152: R209.1@76.065,32.687 R209.1@76.06,32.682 76.179,32.563 76.695,32.563 76.898,32.36 76.881,32.343 U20.5@76.881,32.11
N17800108: C251.2 L7.1 L19.1 U9.6
N17800564: D12.2 L7.2 U9.4
N17849143: C238.1 R213.2 U21.5 | length 2.4
  BOTTOM w0.203: R213.2@80.923,26.086 81.113,26.276 U21.5@83.228,26.276
N167142980: C53.1 R14.1 | length 1.4
  TOP w0.254: R14.1@60.636,37.422 60.636,36.334 C53.1@60.882,36.089
NALE: U1.7 U8.17 | length 25
  TOP w0.127: U1.7@42.535,25.683 42.535,27.33 43.189,27.984 44.727,27.984 47.696,25.015 51.764,25.015 55.659,21.12 59.216,21.12 60.867,22.771 U8.17@60.867,24.024